# KiCad board cryboard.kicad_pcb
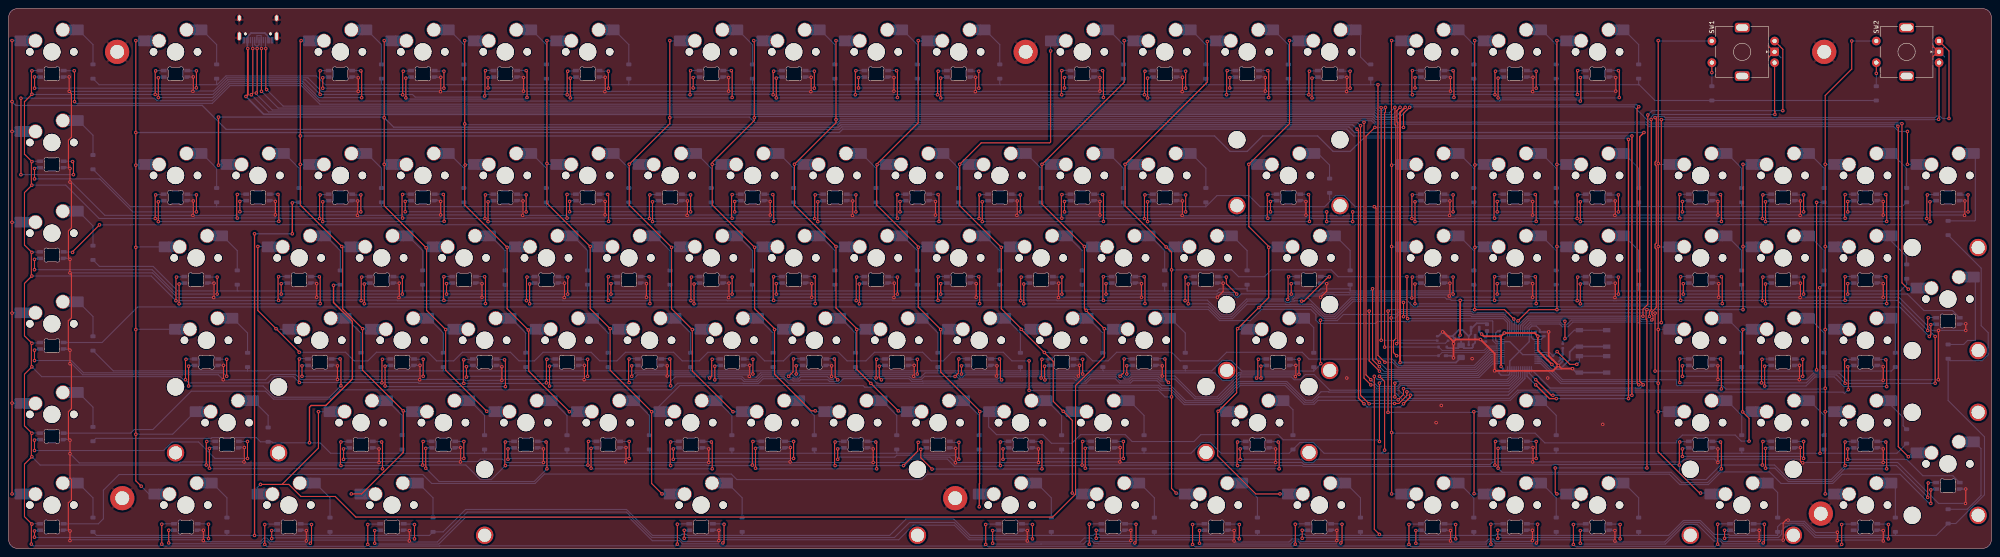
[diagram p0: board, top side]
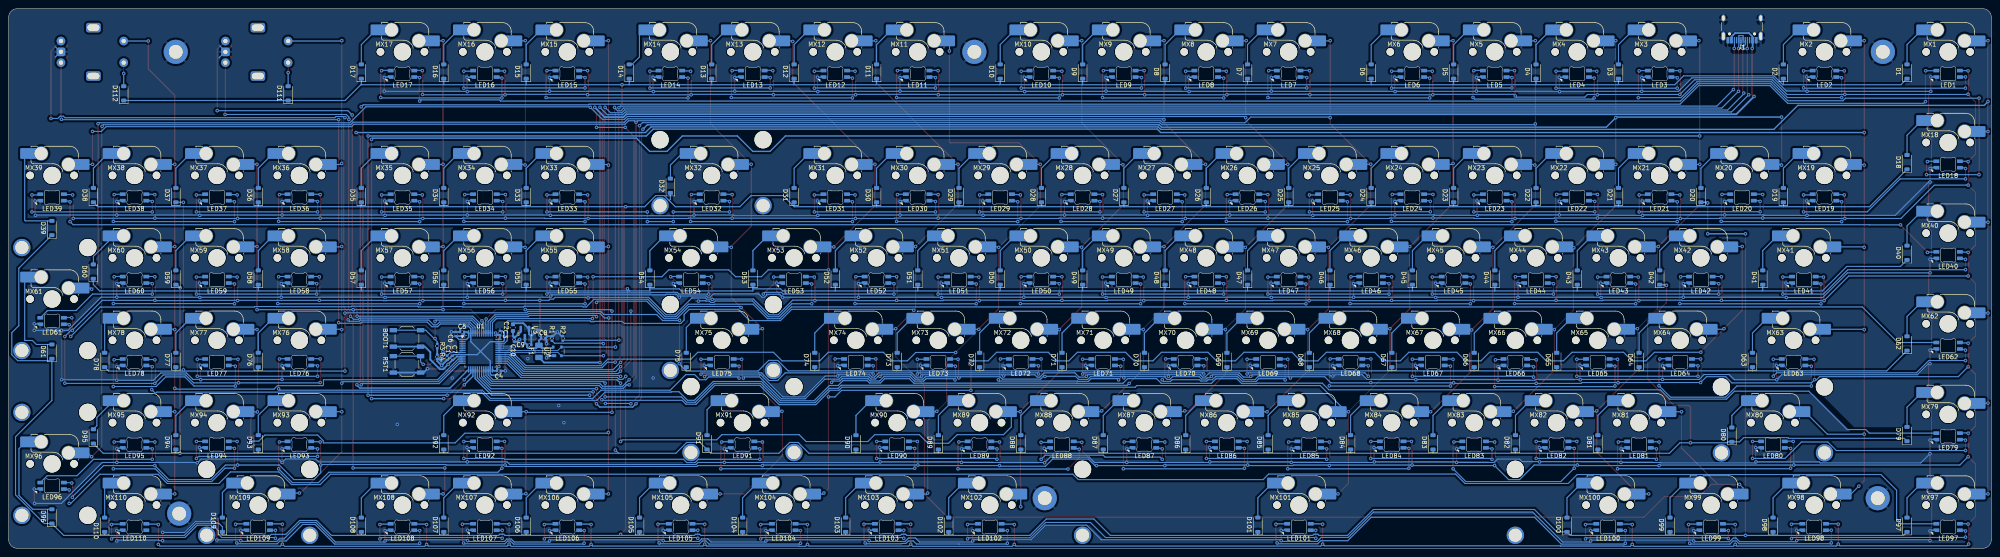
[diagram p1: board, bottom side, seen from below]

Outline 458.17 x 124.77 mm; copper layers: Top, Bottom. Coordinates in mm from the lower left corner of the outline.
Outline path: 0,122.77 arc(0.59,124.19) 2,124.77 456.17,124.77 arc(457.59,124.19) 458.17,122.77 458.17,2 arc(457.59,0.59) 456.17,0 2,0 arc(0.59,0.59) 0,2 0,122.77
Stack: Top 0.035mm / dielectric 1.11mm FR4 er 4.5 / Bottom 0.035mm

## Placement (name value [footprint] x y rotation side)
BOOT1  SW_SPST  [SW_SPST_TL3342]  366.13 48.54 0 bottom
C1  100nF  [C_0402_1005Metric]  356.87 44.02 270 bottom
C2  10uF  [C_0603_1608Metric]  341.63 51.04 90 bottom
C3  100nF  [C_0402_1005Metric]  344.63 49.79 90 bottom
C4  100nF  [C_0402_1005Metric]  344.88 41.04 180 bottom
C5  100nF  [C_0402_1005Metric]  353.38 50.04 0 bottom
C6  100nF  [C_0402_1005Metric]  354.88 49.54 90 bottom
C7  100nF  [C_0402_1005Metric]  355.62 44.02 90 bottom
C8  100nF  [C_0402_1005Metric]  334.63 48.54 180 bottom
C9  1uF  [C_0402_1005Metric]  337.88 47.04 180 bottom
C10  1uF  [C_0402_1005Metric]  341.38 48.29 270 bottom
D1  D_Small  [D_SOD-123]  19.49 110.24 90 bottom
D2  D_Small  [D_SOD-123]  48.06 110.24 90 bottom
D3  D_Small  [D_SOD-123]  86.16 110.24 90 bottom
D4  D_Small  [D_SOD-123]  105.21 110.24 90 bottom
D5  D_Small  [D_SOD-123]  124.26 110.24 90 bottom
D6  D_Small  [D_SOD-123]  143.31 110.24 90 bottom
D7  D_Small  [D_SOD-123]  171.89 110.24 90 bottom
D8  D_Small  [D_SOD-123]  190.94 110.24 90 bottom
D9  D_Small  [D_SOD-123]  209.99 110.24 90 bottom
D10  D_Small  [D_SOD-123]  229.04 110.24 90 bottom
D11  D_Small  [D_SOD-123]  257.61 110.24 90 bottom
D12  D_Small  [D_SOD-123]  276.66 110.24 90 bottom
D13  D_Small  [D_SOD-123]  295.71 110.24 90 bottom
D14  D_Small  [D_SOD-123]  314.76 110.24 90 bottom
D15  D_Small  [D_SOD-123]  338.57 110.24 90 bottom
D16  D_Small  [D_SOD-123]  357.62 110.24 90 bottom
D17  D_Small  [D_SOD-123]  376.67 110.24 90 bottom
D18  D_Small  [D_SOD-123]  19.49 89.28 90 bottom
D19  D_Small  [D_SOD-123]  48.06 81.66 90 bottom
D20  D_Small  [D_SOD-123]  67.11 81.66 90 bottom
D21  D_Small  [D_SOD-123]  86.16 81.66 90 bottom
D22  D_Small  [D_SOD-123]  105.21 81.66 90 bottom
D23  D_Small  [D_SOD-123]  124.26 81.66 90 bottom
D24  D_Small  [D_SOD-123]  143.31 81.66 90 bottom
D25  D_Small  [D_SOD-123]  162.36 81.66 90 bottom
D26  D_Small  [D_SOD-123]  181.41 81.66 90 bottom
D27  D_Small  [D_SOD-123]  200.46 81.66 90 bottom
D28  D_Small  [D_SOD-123]  219.51 81.66 90 bottom
D29  D_Small  [D_SOD-123]  238.56 81.66 90 bottom
D30  D_Small  [D_SOD-123]  257.61 81.66 90 bottom
D31  D_Small  [D_SOD-123]  276.66 81.66 90 bottom
D32  D_Small  [D_SOD-123]  305.26 83.83 90 bottom
D33  D_Small  [D_SOD-123]  338.57 81.66 90 bottom
D34  D_Small  [D_SOD-123]  357.62 81.66 90 bottom
D35  D_Small  [D_SOD-123]  376.67 81.66 90 bottom
D36  D_Small  [D_SOD-123]  400.49 81.66 90 bottom
D37  D_Small  [D_SOD-123]  419.54 81.66 90 bottom
D38  D_Small  [D_SOD-123]  438.59 81.66 90 bottom
D39  D_Small  [D_SOD-123]  448.19 74.06 90 bottom
D40  D_Small  [D_SOD-123]  19.49 68.33 90 bottom
D41  D_Small  [D_SOD-123]  52.82 62.61 90 bottom
D42  D_Small  [D_SOD-123]  76.64 62.61 90 bottom
D43  D_Small  [D_SOD-123]  95.69 62.61 90 bottom
D44  D_Small  [D_SOD-123]  114.74 62.61 90 bottom
D45  D_Small  [D_SOD-123]  133.79 62.61 90 bottom
D46  D_Small  [D_SOD-123]  152.84 62.61 90 bottom
D47  D_Small  [D_SOD-123]  171.89 62.61 90 bottom
D48  D_Small  [D_SOD-123]  190.94 62.61 90 bottom
D49  D_Small  [D_SOD-123]  209.99 62.61 90 bottom
D50  D_Small  [D_SOD-123]  229.04 62.61 90 bottom
D51  D_Small  [D_SOD-123]  248.09 62.61 90 bottom
D52  D_Small  [D_SOD-123]  267.14 62.61 90 bottom
D53  D_Small  [D_SOD-123]  286.19 62.61 90 bottom
D54  D_Small  [D_SOD-123]  310 62.61 90 bottom
D55  D_Small  [D_SOD-123]  338.57 62.61 90 bottom
D56  D_Small  [D_SOD-123]  357.62 62.61 90 bottom
D57  D_Small  [D_SOD-123]  376.67 62.61 90 bottom
D58  D_Small  [D_SOD-123]  400.49 62.61 90 bottom
D59  D_Small  [D_SOD-123]  419.54 62.61 90 bottom
D60  D_Small  [D_SOD-123]  438.61 63.99 90 bottom
D61  D_Small  [D_SOD-123]  448.19 45.49 90 bottom
D62  D_Small  [D_SOD-123]  19.49 47.37 90 bottom
D63  D_Small  [D_SOD-123]  55.2 43.56 90 bottom
D64  D_Small  [D_SOD-123]  81.4 43.56 90 bottom
D65  D_Small  [D_SOD-123]  100.45 43.56 90 bottom
D66  D_Small  [D_SOD-123]  119.5 43.56 90 bottom
D67  D_Small  [D_SOD-123]  138.55 43.56 90 bottom
D68  D_Small  [D_SOD-123]  157.6 43.56 90 bottom
D69  D_Small  [D_SOD-123]  176.65 43.56 90 bottom
D70  D_Small  [D_SOD-123]  195.7 43.56 90 bottom
D71  D_Small  [D_SOD-123]  214.75 43.56 90 bottom
D72  D_Small  [D_SOD-123]  233.8 43.56 90 bottom
D73  D_Small  [D_SOD-123]  252.85 43.56 90 bottom
D74  D_Small  [D_SOD-123]  271.9 43.56 90 bottom
D75  D_Small  [D_SOD-123]  301.59 43.56 90 bottom
D76  D_Small  [D_SOD-123]  400.49 43.56 90 bottom
D77  D_Small  [D_SOD-123]  419.54 43.56 90 bottom
D78  D_Small  [D_SOD-123]  435.99 43.56 90 bottom
D79  D_Small  [D_SOD-123]  19.49 26.42 90 bottom
D80  D_Small  [D_SOD-123]  59.97 26.28 90 bottom
D81  D_Small  [D_SOD-123]  90.92 24.51 90 bottom
D82  D_Small  [D_SOD-123]  109.97 24.51 90 bottom
D83  D_Small  [D_SOD-123]  129.02 24.51 90 bottom
D84  D_Small  [D_SOD-123]  148.07 24.51 90 bottom
D85  D_Small  [D_SOD-123]  167.12 24.51 90 bottom
D86  D_Small  [D_SOD-123]  186.17 24.51 90 bottom
D87  D_Small  [D_SOD-123]  205.22 24.51 90 bottom
D88  D_Small  [D_SOD-123]  224.27 24.51 90 bottom
D89  D_Small  [D_SOD-123]  243.32 24.51 90 bottom
D90  D_Small  [D_SOD-123]  262.37 24.51 90 bottom
D91  D_Small  [D_SOD-123]  296.79 24.51 90 bottom
D92  D_Small  [D_SOD-123]  357.62 24.51 90 bottom
D93  D_Small  [D_SOD-123]  400.49 24.51 90 bottom
D94  D_Small  [D_SOD-123]  419.54 24.51 90 bottom
D95  D_Small  [D_SOD-123]  438.59 25.89 90 bottom
D96  D_Small  [D_SOD-123]  448.19 7.39 90 bottom
D97  D_Small  [D_SOD-123]  19.49 5.46 90 bottom
D98  D_Small  [D_SOD-123]  50.44 5.46 90 bottom
D99  D_Small  [D_SOD-123]  74.25 5.46 90 bottom
D100  D_Small  [D_SOD-123]  98.07 5.46 90 bottom
D101  D_Small  [D_SOD-123]  169.5 5.46 90 bottom
D102  D_Small  [D_SOD-123]  240.94 5.46 90 bottom
D103  D_Small  [D_SOD-123]  264.75 5.46 90 bottom
D104  D_Small  [D_SOD-123]  288.57 5.46 90 bottom
D105  D_Small  [D_SOD-123]  312.38 5.46 90 bottom
D106  D_Small  [D_SOD-123]  338.57 5.46 90 bottom
D107  D_Small  [D_SOD-123]  357.62 5.46 90 bottom
D108  D_Small  [D_SOD-123]  376.67 5.46 90 bottom
D109  D_Small  [D_SOD-123]  408.79 5.46 90 bottom
D110  D_Small  [D_SOD-123]  435.99 5.46 90 bottom
D111  D_Small  [D_SOD-123]  393.59 105.19 90 bottom
D112  D_Small  [D_SOD-123]  431.59 105.19 90 bottom
F1  500mA  [Fuse_1206_3216Metric]  335.63 45.54 90 bottom
H1  MountingHole_Pad  [MountingHole_3.2mm_M3_DIN965_Pad]  25.07 114.79 0 top
H2  MountingHole_Pad  [MountingHole_3.2mm_M3_DIN965_Pad]  235.01 114.79 0 top
H3  MountingHole_Pad  [MountingHole_3.2mm_M3_DIN965_Pad]  419.56 114.79 0 top
H4  MountingHole_Pad  [MountingHole_3.2mm_M3_DIN965_Pad]  26.26 11.6 0 top
H5  MountingHole_Pad  [MountingHole_3.2mm_M3_DIN965_Pad]  218.74 11.6 0 top
H6  MountingHole_Pad  [MountingHole_3.2mm_M3_DIN965_Pad]  418.77 8.03 0 top
J1  USB_C_Receptacle_USB2.0  [USB_C_Receptacle_HRO_TYPE-C-31-M-12]  57.61 121.53 0 bottom
LED1  MX_SK6812MINI-E  [LED_MX_6028R]  9.99 109.71 180 bottom
LED2  MX_SK6812MINI-E  [LED_MX_6028R]  38.56 109.71 180 bottom
LED3  MX_SK6812MINI-E  [LED_MX_6028R]  76.66 109.71 180 bottom
LED4  MX_SK6812MINI-E  [LED_MX_6028R]  95.71 109.71 180 bottom
LED5  MX_SK6812MINI-E  [LED_MX_6028R]  114.76 109.71 180 bottom
LED6  MX_SK6812MINI-E  [LED_MX_6028R]  133.81 109.71 180 bottom
LED7  MX_SK6812MINI-E  [LED_MX_6028R]  162.39 109.71 180 bottom
LED8  MX_SK6812MINI-E  [LED_MX_6028R]  181.44 109.71 180 bottom
LED9  MX_SK6812MINI-E  [LED_MX_6028R]  200.49 109.71 180 bottom
LED10  MX_SK6812MINI-E  [LED_MX_6028R]  219.54 109.71 180 bottom
LED11  MX_SK6812MINI-E  [LED_MX_6028R]  248.11 109.71 180 bottom
LED12  MX_SK6812MINI-E  [LED_MX_6028R]  267.16 109.71 180 bottom
LED13  MX_SK6812MINI-E  [LED_MX_6028R]  286.21 109.71 180 bottom
LED14  MX_SK6812MINI-E  [LED_MX_6028R]  305.26 109.71 180 bottom
LED15  MX_SK6812MINI-E  [LED_MX_6028R]  329.07 109.71 180 bottom
LED16  MX_SK6812MINI-E  [LED_MX_6028R]  348.12 109.71 180 bottom
LED17  MX_SK6812MINI-E  [LED_MX_6028R]  367.17 109.71 180 bottom
LED18  MX_SK6812MINI-E  [LED_MX_6028R]  9.99 88.75 180 bottom
LED19  MX_SK6812MINI-E  [LED_MX_6028R]  38.56 81.13 180 bottom
LED20  MX_SK6812MINI-E  [LED_MX_6028R]  57.61 81.13 180 bottom
LED21  MX_SK6812MINI-E  [LED_MX_6028R]  76.66 81.13 180 bottom
LED22  MX_SK6812MINI-E  [LED_MX_6028R]  95.71 81.13 180 bottom
LED23  MX_SK6812MINI-E  [LED_MX_6028R]  114.76 81.13 180 bottom
LED24  MX_SK6812MINI-E  [LED_MX_6028R]  133.81 81.13 180 bottom
LED25  MX_SK6812MINI-E  [LED_MX_6028R]  152.86 81.13 180 bottom
LED26  MX_SK6812MINI-E  [LED_MX_6028R]  171.91 81.13 180 bottom
LED27  MX_SK6812MINI-E  [LED_MX_6028R]  190.96 81.13 180 bottom
LED28  MX_SK6812MINI-E  [LED_MX_6028R]  210.01 81.13 180 bottom
LED29  MX_SK6812MINI-E  [LED_MX_6028R]  229.06 81.13 180 bottom
LED30  MX_SK6812MINI-E  [LED_MX_6028R]  248.11 81.13 180 bottom
LED31  MX_SK6812MINI-E  [LED_MX_6028R]  267.16 81.13 180 bottom
LED32  MX_SK6812MINI-E  [LED_MX_6028R]  295.74 81.13 180 bottom
LED33  MX_SK6812MINI-E  [LED_MX_6028R]  329.07 81.13 180 bottom
LED34  MX_SK6812MINI-E  [LED_MX_6028R]  348.12 81.13 180 bottom
LED35  MX_SK6812MINI-E  [LED_MX_6028R]  367.17 81.13 180 bottom
LED36  MX_SK6812MINI-E  [LED_MX_6028R]  390.99 81.13 180 bottom
LED37  MX_SK6812MINI-E  [LED_MX_6028R]  410.04 81.13 180 bottom
LED38  MX_SK6812MINI-E  [LED_MX_6028R]  429.09 81.13 180 bottom
LED39  MX_SK6812MINI-E  [LED_MX_6028R]  448.14 81.13 180 bottom
LED40  MX_SK6812MINI-E  [LED_MX_6028R]  9.99 67.8 180 bottom
LED41  MX_SK6812MINI-E  [LED_MX_6028R]  43.32 62.08 180 bottom
LED42  MX_SK6812MINI-E  [LED_MX_6028R]  67.14 62.08 180 bottom
LED43  MX_SK6812MINI-E  [LED_MX_6028R]  86.19 62.08 180 bottom
LED44  MX_SK6812MINI-E  [LED_MX_6028R]  105.24 62.08 180 bottom
LED45  MX_SK6812MINI-E  [LED_MX_6028R]  124.29 62.08 180 bottom
LED46  MX_SK6812MINI-E  [LED_MX_6028R]  143.34 62.08 180 bottom
LED47  MX_SK6812MINI-E  [LED_MX_6028R]  162.39 62.08 180 bottom
LED48  MX_SK6812MINI-E  [LED_MX_6028R]  181.44 62.08 180 bottom
LED49  MX_SK6812MINI-E  [LED_MX_6028R]  200.49 62.08 180 bottom
LED50  MX_SK6812MINI-E  [LED_MX_6028R]  219.54 62.08 180 bottom
LED51  MX_SK6812MINI-E  [LED_MX_6028R]  238.59 62.08 180 bottom
LED52  MX_SK6812MINI-E  [LED_MX_6028R]  257.64 62.08 180 bottom
LED53  MX_SK6812MINI-E  [LED_MX_6028R]  276.69 62.08 180 bottom
LED54  MX_SK6812MINI-E  [LED_MX_6028R]  300.5 62.08 180 bottom
LED55  MX_SK6812MINI-E  [LED_MX_6028R]  329.07 62.08 180 bottom
LED56  MX_SK6812MINI-E  [LED_MX_6028R]  348.12 62.08 180 bottom
LED57  MX_SK6812MINI-E  [LED_MX_6028R]  367.17 62.08 180 bottom
LED58  MX_SK6812MINI-E  [LED_MX_6028R]  390.99 62.08 180 bottom
LED59  MX_SK6812MINI-E  [LED_MX_6028R]  410.04 62.08 180 bottom
LED60  MX_SK6812MINI-E  [LED_MX_6028R]  429.09 62.08 180 bottom
LED61  MX_SK6812MINI-E  [LED_MX_6028R]  448.14 52.56 180 bottom
LED62  MX_SK6812MINI-E  [LED_MX_6028R]  9.99 46.84 180 bottom
LED63  MX_SK6812MINI-E  [LED_MX_6028R]  45.7 43.03 180 bottom
LED64  MX_SK6812MINI-E  [LED_MX_6028R]  71.9 43.03 180 bottom
LED65  MX_SK6812MINI-E  [LED_MX_6028R]  90.95 43.03 180 bottom
LED66  MX_SK6812MINI-E  [LED_MX_6028R]  110 43.03 180 bottom
LED67  MX_SK6812MINI-E  [LED_MX_6028R]  129.05 43.03 180 bottom
LED68  MX_SK6812MINI-E  [LED_MX_6028R]  148.1 43.03 180 bottom
LED69  MX_SK6812MINI-E  [LED_MX_6028R]  167.15 43.03 180 bottom
LED70  MX_SK6812MINI-E  [LED_MX_6028R]  186.2 43.03 180 bottom
LED71  MX_SK6812MINI-E  [LED_MX_6028R]  205.25 43.03 180 bottom
LED72  MX_SK6812MINI-E  [LED_MX_6028R]  224.3 43.03 180 bottom
LED73  MX_SK6812MINI-E  [LED_MX_6028R]  243.35 43.03 180 bottom
LED74  MX_SK6812MINI-E  [LED_MX_6028R]  262.4 43.03 180 bottom
LED75  MX_SK6812MINI-E  [LED_MX_6028R]  293.35 43.03 180 bottom
LED76  MX_SK6812MINI-E  [LED_MX_6028R]  390.99 43.03 180 bottom
LED77  MX_SK6812MINI-E  [LED_MX_6028R]  410.04 43.03 180 bottom
LED78  MX_SK6812MINI-E  [LED_MX_6028R]  429.09 43.03 180 bottom
LED79  MX_SK6812MINI-E  [LED_MX_6028R]  9.99 25.89 180 bottom
LED80  MX_SK6812MINI-E  [LED_MX_6028R]  50.47 23.98 180 bottom
LED81  MX_SK6812MINI-E  [LED_MX_6028R]  81.42 23.98 180 bottom
LED82  MX_SK6812MINI-E  [LED_MX_6028R]  100.47 23.98 180 bottom
LED83  MX_SK6812MINI-E  [LED_MX_6028R]  119.52 23.98 180 bottom
LED84  MX_SK6812MINI-E  [LED_MX_6028R]  138.57 23.98 180 bottom
LED85  MX_SK6812MINI-E  [LED_MX_6028R]  157.62 23.98 180 bottom
LED86  MX_SK6812MINI-E  [LED_MX_6028R]  176.67 23.98 180 bottom
LED87  MX_SK6812MINI-E  [LED_MX_6028R]  195.72 23.98 180 bottom
LED88  MX_SK6812MINI-E  [LED_MX_6028R]  214.77 23.98 180 bottom
LED89  MX_SK6812MINI-E  [LED_MX_6028R]  233.82 23.98 180 bottom
LED90  MX_SK6812MINI-E  [LED_MX_6028R]  252.87 23.98 180 bottom
LED91  MX_SK6812MINI-E  [LED_MX_6028R]  288.59 23.98 180 bottom
LED92  MX_SK6812MINI-E  [LED_MX_6028R]  348.12 23.98 180 bottom
LED93  MX_SK6812MINI-E  [LED_MX_6028R]  390.99 23.98 180 bottom
LED94  MX_SK6812MINI-E  [LED_MX_6028R]  410.04 23.98 180 bottom
LED95  MX_SK6812MINI-E  [LED_MX_6028R]  429.09 23.98 180 bottom
LED96  MX_SK6812MINI-E  [LED_MX_6028R]  448.14 14.46 180 bottom
LED97  MX_SK6812MINI-E  [LED_MX_6028R]  9.99 4.93 180 bottom
LED98  MX_SK6812MINI-E  [LED_MX_6028R]  40.94 4.93 180 bottom
LED99  MX_SK6812MINI-E  [LED_MX_6028R]  64.75 4.93 180 bottom
LED100  MX_SK6812MINI-E  [LED_MX_6028R]  88.57 4.93 180 bottom
LED101  MX_SK6812MINI-E  [LED_MX_6028R]  160 4.93 180 bottom
LED102  MX_SK6812MINI-E  [LED_MX_6028R]  231.44 4.93 180 bottom
LED103  MX_SK6812MINI-E  [LED_MX_6028R]  255.25 4.93 180 bottom
LED104  MX_SK6812MINI-E  [LED_MX_6028R]  279.07 4.93 180 bottom
LED105  MX_SK6812MINI-E  [LED_MX_6028R]  302.88 4.93 180 bottom
LED106  MX_SK6812MINI-E  [LED_MX_6028R]  329.07 4.93 180 bottom
LED107  MX_SK6812MINI-E  [LED_MX_6028R]  348.12 4.93 180 bottom
LED108  MX_SK6812MINI-E  [LED_MX_6028R]  367.17 4.93 180 bottom
LED109  MX_SK6812MINI-E  [LED_MX_6028R]  400.51 4.93 180 bottom
LED110  MX_SK6812MINI-E  [LED_MX_6028R]  429.09 4.93 180 bottom
MX1  MX_SW_HS  [SW_MX_HS_CPG151101S11_1u]  9.99 114.79 180 bottom
MX2  MX_SW_HS  [SW_MX_HS_CPG151101S11_1u]  38.56 114.79 180 bottom
MX3  MX_SW_HS  [SW_MX_HS_CPG151101S11_1u]  76.66 114.79 180 bottom
MX4  MX_SW_HS  [SW_MX_HS_CPG151101S11_1u]  95.71 114.79 180 bottom
MX5  MX_SW_HS  [SW_MX_HS_CPG151101S11_1u]  114.76 114.79 180 bottom
MX6  MX_SW_HS  [SW_MX_HS_CPG151101S11_1u]  133.81 114.79 180 bottom
MX7  MX_SW_HS  [SW_MX_HS_CPG151101S11_1u]  162.39 114.79 180 bottom
MX8  MX_SW_HS  [SW_MX_HS_CPG151101S11_1u]  181.44 114.79 180 bottom
MX9  MX_SW_HS  [SW_MX_HS_CPG151101S11_1u]  200.49 114.79 180 bottom
MX10  MX_SW_HS  [SW_MX_HS_CPG151101S11_1u]  219.54 114.79 180 bottom
MX11  MX_SW_HS  [SW_MX_HS_CPG151101S11_1u]  248.11 114.79 180 bottom
MX12  MX_SW_HS  [SW_MX_HS_CPG151101S11_1u]  267.16 114.79 180 bottom
MX13  MX_SW_HS  [SW_MX_HS_CPG151101S11_1u]  286.21 114.79 180 bottom
MX14  MX_SW_HS  [SW_MX_HS_CPG151101S11_1u]  305.26 114.79 180 bottom
MX15  MX_SW_HS  [SW_MX_HS_CPG151101S11_1u]  329.07 114.79 180 bottom
MX16  MX_SW_HS  [SW_MX_HS_CPG151101S11_1u]  348.12 114.79 180 bottom
MX17  MX_SW_HS  [SW_MX_HS_CPG151101S11_1u]  367.17 114.79 180 bottom
MX18  MX_SW_HS  [SW_MX_HS_CPG151101S11_1u]  9.99 93.83 180 bottom
MX19  MX_SW_HS  [SW_MX_HS_CPG151101S11_1u]  38.56 86.21 180 bottom
MX20  MX_SW_HS  [SW_MX_HS_CPG151101S11_1u]  57.61 86.21 180 bottom
MX21  MX_SW_HS  [SW_MX_HS_CPG151101S11_1u]  76.66 86.21 180 bottom
MX22  MX_SW_HS  [SW_MX_HS_CPG151101S11_1u]  95.71 86.21 180 bottom
MX23  MX_SW_HS  [SW_MX_HS_CPG151101S11_1u]  114.76 86.21 180 bottom
MX24  MX_SW_HS  [SW_MX_HS_CPG151101S11_1u]  133.81 86.21 180 bottom
MX25  MX_SW_HS  [SW_MX_HS_CPG151101S11_1u]  152.86 86.21 180 bottom
MX26  MX_SW_HS  [SW_MX_HS_CPG151101S11_1u]  171.91 86.21 180 bottom
MX27  MX_SW_HS  [SW_MX_HS_CPG151101S11_1u]  190.96 86.21 180 bottom
MX28  MX_SW_HS  [SW_MX_HS_CPG151101S11_1u]  210.01 86.21 180 bottom
MX29  MX_SW_HS  [SW_MX_HS_CPG151101S11_1u]  229.06 86.21 180 bottom
MX30  MX_SW_HS  [SW_MX_HS_CPG151101S11_1u]  248.11 86.21 180 bottom
MX31  MX_SW_HS  [SW_MX_HS_CPG151101S11_1u]  267.16 86.21 180 bottom
MX32  MX_SW_HS  [SW_MX_HS_CPG151101S11_1u]  295.74 86.21 180 bottom
MX33  MX_SW_HS  [SW_MX_HS_CPG151101S11_1u]  329.07 86.21 180 bottom
MX34  MX_SW_HS  [SW_MX_HS_CPG151101S11_1u]  348.12 86.21 180 bottom
MX35  MX_SW_HS  [SW_MX_HS_CPG151101S11_1u]  367.17 86.21 180 bottom
MX36  MX_SW_HS  [SW_MX_HS_CPG151101S11_1u]  390.99 86.21 180 bottom
MX37  MX_SW_HS  [SW_MX_HS_CPG151101S11_1u]  410.04 86.21 180 bottom
MX38  MX_SW_HS  [SW_MX_HS_CPG151101S11_1u]  429.09 86.21 180 bottom
MX39  MX_SW_HS  [SW_MX_HS_CPG151101S11_1u]  448.14 86.21 180 bottom
MX40  MX_SW_HS  [SW_MX_HS_CPG151101S11_1u]  9.99 72.88 180 bottom
MX41  MX_SW_HS  [SW_MX_HS_CPG151101S11_1u]  43.32 67.16 180 bottom
MX42  MX_SW_HS  [SW_MX_HS_CPG151101S11_1u]  67.14 67.16 180 bottom
MX43  MX_SW_HS  [SW_MX_HS_CPG151101S11_1u]  86.19 67.16 180 bottom
MX44  MX_SW_HS  [SW_MX_HS_CPG151101S11_1u]  105.24 67.16 180 bottom
MX45  MX_SW_HS  [SW_MX_HS_CPG151101S11_1u]  124.29 67.16 180 bottom
MX46  MX_SW_HS  [SW_MX_HS_CPG151101S11_1u]  143.34 67.16 180 bottom
MX47  MX_SW_HS  [SW_MX_HS_CPG151101S11_1u]  162.39 67.16 180 bottom
MX48  MX_SW_HS  [SW_MX_HS_CPG151101S11_1u]  181.44 67.16 180 bottom
MX49  MX_SW_HS  [SW_MX_HS_CPG151101S11_1u]  200.49 67.16 180 bottom
MX50  MX_SW_HS  [SW_MX_HS_CPG151101S11_1u]  219.54 67.16 180 bottom
MX51  MX_SW_HS  [SW_MX_HS_CPG151101S11_1u]  238.59 67.16 180 bottom
MX52  MX_SW_HS  [SW_MX_HS_CPG151101S11_1u]  257.64 67.16 180 bottom
MX53  MX_SW_HS  [SW_MX_HS_CPG151101S11_1u]  276.69 67.16 180 bottom
MX54  MX_SW_HS  [SW_MX_HS_CPG151101S11_1u]  300.5 67.16 180 bottom
MX55  MX_SW_HS  [SW_MX_HS_CPG151101S11_1u]  329.07 67.16 180 bottom
MX56  MX_SW_HS  [SW_MX_HS_CPG151101S11_1u]  348.12 67.16 180 bottom
MX57  MX_SW_HS  [SW_MX_HS_CPG151101S11_1u]  367.17 67.16 180 bottom
MX58  MX_SW_HS  [SW_MX_HS_CPG151101S11_1u]  390.99 67.16 180 bottom
MX59  MX_SW_HS  [SW_MX_HS_CPG151101S11_1u]  410.04 67.16 180 bottom
MX60  MX_SW_HS  [SW_MX_HS_CPG151101S11_1u]  429.09 67.16 180 bottom
MX61  MX_SW_HS  [SW_MX_HS_CPG151101S11_1u]  448.14 57.64 180 bottom
MX62  MX_SW_HS  [SW_MX_HS_CPG151101S11_1u]  9.99 51.92 180 bottom
MX63  MX_SW_HS  [SW_MX_HS_CPG151101S11_1u]  45.7 48.11 180 bottom
MX64  MX_SW_HS  [SW_MX_HS_CPG151101S11_1u]  71.9 48.11 180 bottom
MX65  MX_SW_HS  [SW_MX_HS_CPG151101S11_1u]  90.95 48.11 180 bottom
MX66  MX_SW_HS  [SW_MX_HS_CPG151101S11_1u]  110 48.11 180 bottom
MX67  MX_SW_HS  [SW_MX_HS_CPG151101S11_1u]  129.05 48.11 180 bottom
MX68  MX_SW_HS  [SW_MX_HS_CPG151101S11_1u]  148.1 48.11 180 bottom
MX69  MX_SW_HS  [SW_MX_HS_CPG151101S11_1u]  167.15 48.11 180 bottom
MX70  MX_SW_HS  [SW_MX_HS_CPG151101S11_1u]  186.2 48.11 180 bottom
MX71  MX_SW_HS  [SW_MX_HS_CPG151101S11_1u]  205.25 48.11 180 bottom
MX72  MX_SW_HS  [SW_MX_HS_CPG151101S11_1u]  224.3 48.11 180 bottom
MX73  MX_SW_HS  [SW_MX_HS_CPG151101S11_1u]  243.35 48.11 180 bottom
MX74  MX_SW_HS  [SW_MX_HS_CPG151101S11_1u]  262.4 48.11 180 bottom
MX75  MX_SW_HS  [SW_MX_HS_CPG151101S11_1u]  293.35 48.11 180 bottom
MX76  MX_SW_HS  [SW_MX_HS_CPG151101S11_1u]  390.99 48.11 180 bottom
MX77  MX_SW_HS  [SW_MX_HS_CPG151101S11_1u]  410.04 48.11 180 bottom
MX78  MX_SW_HS  [SW_MX_HS_CPG151101S11_1u]  429.09 48.11 180 bottom
MX79  MX_SW_HS  [SW_MX_HS_CPG151101S11_1u]  9.99 30.97 180 bottom
MX80  MX_SW_HS  [SW_MX_HS_CPG151101S11_1u]  50.47 29.06 180 bottom
MX81  MX_SW_HS  [SW_MX_HS_CPG151101S11_1u]  81.42 29.06 180 bottom
MX82  MX_SW_HS  [SW_MX_HS_CPG151101S11_1u]  100.47 29.06 180 bottom
MX83  MX_SW_HS  [SW_MX_HS_CPG151101S11_1u]  119.52 29.06 180 bottom
MX84  MX_SW_HS  [SW_MX_HS_CPG151101S11_1u]  138.57 29.06 180 bottom
MX85  MX_SW_HS  [SW_MX_HS_CPG151101S11_1u]  157.62 29.06 180 bottom
MX86  MX_SW_HS  [SW_MX_HS_CPG151101S11_1u]  176.67 29.06 180 bottom
MX87  MX_SW_HS  [SW_MX_HS_CPG151101S11_1u]  195.72 29.06 180 bottom
MX88  MX_SW_HS  [SW_MX_HS_CPG151101S11_1u]  214.77 29.06 180 bottom
MX89  MX_SW_HS  [SW_MX_HS_CPG151101S11_1u]  233.82 29.06 180 bottom
MX90  MX_SW_HS  [SW_MX_HS_CPG151101S11_1u]  252.87 29.06 180 bottom
MX91  MX_SW_HS  [SW_MX_HS_CPG151101S11_1u]  288.59 29.06 180 bottom
MX92  MX_SW_HS  [SW_MX_HS_CPG151101S11_1u]  348.12 29.06 180 bottom
MX93  MX_SW_HS  [SW_MX_HS_CPG151101S11_1u]  390.99 29.06 180 bottom
MX94  MX_SW_HS  [SW_MX_HS_CPG151101S11_1u]  410.04 29.06 180 bottom
MX95  MX_SW_HS  [SW_MX_HS_CPG151101S11_1u]  429.09 29.06 180 bottom
MX96  MX_SW_HS  [SW_MX_HS_CPG151101S11_1u]  448.14 19.54 180 bottom
MX97  MX_SW_HS  [SW_MX_HS_CPG151101S11_1u]  9.99 10.01 180 bottom
MX98  MX_SW_HS  [SW_MX_HS_CPG151101S11_1u]  40.94 10.01 180 bottom
MX99  MX_SW_HS  [SW_MX_HS_CPG151101S11_1u]  64.75 10.01 180 bottom
MX100  MX_SW_HS  [SW_MX_HS_CPG151101S11_1u]  88.57 10.01 180 bottom
MX101  MX_SW_HS  [SW_MX_HS_CPG151101S11_1u]  160 10.01 180 bottom
MX102  MX_SW_HS  [SW_MX_HS_CPG151101S11_1u]  231.44 10.01 180 bottom
MX103  MX_SW_HS  [SW_MX_HS_CPG151101S11_1u]  255.25 10.01 180 bottom
MX104  MX_SW_HS  [SW_MX_HS_CPG151101S11_1u]  279.07 10.01 180 bottom
MX105  MX_SW_HS  [SW_MX_HS_CPG151101S11_1u]  302.88 10.01 180 bottom
MX106  MX_SW_HS  [SW_MX_HS_CPG151101S11_1u]  329.07 10.01 180 bottom
MX107  MX_SW_HS  [SW_MX_HS_CPG151101S11_1u]  348.12 10.01 180 bottom
MX108  MX_SW_HS  [SW_MX_HS_CPG151101S11_1u]  367.17 10.01 180 bottom
MX109  MX_SW_HS  [SW_MX_HS_CPG151101S11_1u]  400.51 10.01 180 bottom
MX110  MX_SW_HS  [SW_MX_HS_CPG151101S11_1u]  429.09 10.01 180 bottom
R1  5.1k  [R_0402_1005Metric]  332.63 48.54 270 bottom
R2  5.1k  [R_0402_1005Metric]  330.13 48.54 90 bottom
R3  5.1k  [R_0402_1005Metric]  359.13 46.79 270 bottom
R4  5.1k  [R_0402_1005Metric]  359.13 44.29 270 bottom
RST1  SW_SPST  [SW_SPST_TL3342]  366.13 42.54 180 bottom
S1  MX_stab  [STAB_MX_P_6.25u]  160 10.01 180 top
S2  MX_stab  [STAB_MX_P_2.25u]  50.47 29.06 180 top
S3  MX_stab  [STAB_MX_P_2.25u]  293.35 48.11 180 top
S4  MX_stab  [STAB_MX_P_2.75u]  288.59 29.14 180 top
S5  MX_stab  [STAB_MX_P_2u]  400.51 10.01 180 top
S6  MX_stab  [STAB_MX_P_2u]  448.14 19.54 270 top
S7  MX_stab  [STAB_MX_P_2u]  448.14 57.64 270 top
S8  MX_stab  [STAB_MX_P_2u]  295.74 86.21 180 top
SW1  RotaryEncoder_Switch  [ROT_Alps_EC11E-Switch]  400.59 114.79 90 top
SW2  RotaryEncoder_Switch  [ROT_Alps_EC11E-Switch]  438.59 114.79 90 top
U1  STM32F072CBT6  [LQFP-48_7x7mm_P0.5mm]  349.13 45.54 180 bottom
U2  PRTR5V0U2X  [SOT-143]  331.38 45.54 90 bottom
U3  XC6206PxxxMR-Regulator_Linear  [SOT-23]  338.88 49.79 270 bottom
